# Allegro board 038RT-9068CJK8E-A100_0921_1.brd (continued)
## Copper pours and planes (outline as drawn; the poured copper is in the pictures) (continued)
VDD33_ATX on BOTTOM (solid shape): 136.61,275.03 136.73,274.99 136.78,274.87 136.63,273.35 136.05,274 135.51,274.72
VDD33_ATX on BOTTOM (solid shape): 136.61,258.87 136.73,258.84 136.78,258.72 136.63,257.19 136.05,257.85 135.51,258.57
VDD33_ATX on BOTTOM (solid shape): 136.61,215.03 136.73,214.99 136.78,214.87 136.63,213.35 136.05,214 135.51,214.72
VDD33_ATX on BOTTOM (solid shape): 136.61,198.87 136.73,198.84 136.78,198.72 136.63,197.19 136.05,197.85 135.51,198.57
VDD33_ATX on BOTTOM (solid shape): 228.64,243.07 228.76,243.03 228.81,242.92 228.66,241.39 228.08,242.05 227.54,242.76
VDD33_ATX on BOTTOM (solid shape): 228.64,183.07 228.76,183.03 228.81,182.92 228.66,181.39 228.08,182.05 227.54,182.76
VDD33_ATX on BOTTOM (solid shape): 250.85,243.07 250.98,243.03 251.03,242.92 250.88,241.39 250.3,242.05 249.76,242.76
VDD33_ATX on BOTTOM (solid shape): 250.85,183.07 250.98,183.03 251.03,182.92 250.88,181.39 250.3,182.05 249.76,182.76
VDD33_ATX on BOTTOM (solid shape): 446.44,259.89 446.97,259.17 445.88,258.87 445.76,258.91 445.7,259.02 445.86,260.55
VDD33_ATX on BOTTOM (solid shape): 446.44,199.89 446.97,199.18 445.88,198.87 445.76,198.91 445.7,199.02 445.86,200.55
VDD33_ATX on BOTTOM (solid shape): 468.65,259.89 469.19,259.17 468.09,258.87 467.97,258.91 467.92,259.02 468.07,260.55
VDD33_ATX on BOTTOM (solid shape): 468.65,199.89 469.19,199.18 468.09,198.87 467.97,198.91 467.92,199.02 468.07,200.55
VDD33_ATX on BOTTOM (solid shape): 554.55,274.59 555.09,273.87 553.99,273.57 553.87,273.6 553.82,273.72 553.97,275.25
VDD33_ATX on BOTTOM (solid shape): 554.55,258.44 555.09,257.72 553.99,257.41 553.87,257.45 553.82,257.57 553.97,259.09
VDD33_ATX on BOTTOM (solid shape): 554.55,214.59 555.09,213.87 553.99,213.57 553.87,213.6 553.82,213.72 553.97,215.25
VDD33_ATX on BOTTOM (solid shape): 554.55,198.44 555.09,197.72 553.99,197.41 553.87,197.45 553.82,197.57 553.97,199.09
VDD33_ATX on TOP: 150.06,454.57 150.38,454.89 150.38,456.47 151.3,457.39 151.3,460.8 151.07,461.03 140.22,461.03 138.31,459.13 138.31,452.24 138.99,451.56 142.66,451.56 143.16,452.07 143.16,454.22 143.51,454.57 144.84,454.57 144.84,454.57
VDD33_ATX on TOP: 581.49,39.52 581.17,39.2 581.17,37.61 580.25,36.7 580.25,33.28 580.48,33.05 591.33,33.05 593.23,34.96 593.23,41.84 592.55,42.52 588.89,42.52 588.38,42.02 588.38,39.87 588.04,39.52 586.7,39.52 586.7,39.52
VDD33_ATX on TOP: 39.02,462.12 48.47,462.12 48.68,462.34 49.68,462.34 49.83,462.19 49.83,455.84 49.25,455.26 38.33,455.26 37.96,455.63 37.96,460.37 38.59,461 38.59,461.69
VDD33_ATX on TOP: 124.05,33.95 123.73,33.64 123.73,32.05 122.82,31.13 122.82,27.72 123.05,27.49 133.89,27.49 135.8,29.4 135.8,36.28 135.12,36.96 131.46,36.96 130.95,36.45 130.95,34.3 130.6,33.95 129.27,33.95 129.27,33.95
VDD33_ATX on TOP: 566.27,451.55 566.59,451.86 566.59,453.45 567.51,454.37 567.51,457.78 567.28,458.01 556.43,458.01 554.53,456.1 554.53,449.22 555.2,448.54 558.87,448.54 559.37,449.05 559.37,451.2 559.72,451.55 561.05,451.55 561.06,451.55
(no net) on L03_SIGNAL: 2.64,485.83 2.64,4.58 688.16,4.58 688.16,485.83 ; 101 cut-outs
(no net) on L05_SIGNAL, L09_SIGNAL, L17_SIGNAL, L36_SIGNAL: 1.31,1.02 1.31,487.43 689.28,487.43 689.28,1.02
(no net) on L33_PLANE, L35_PLANE: 1.31,1.02 1.31,487.43 689.28,487.43 689.28,1.02 ; 32 cut-outs
(no net) on L36_SIGNAL: 334.48,139.27 334.48,68.95 334.61,68.95 334.61,9.55 339.32,4.83 634.26,4.83 648.08,18.65 648.08,34.23 633.88,48.43 554.87,48.43 538.25,31.81 375.28,31.81 357.55,49.54 357.55,138.34 352.9,142.99 338.2,142.99
(no net) on L37_PLANE: 1.31,1.02 1.31,487.43 689.28,487.43 689.28,1.02 ; 1 cut-out
(no net) on L38_SIGNAL: 1.31,1.02 1.31,487.43 689.28,487.43 689.28,1.02 ; 16 cut-outs
(no net) on L38_SIGNAL, L42_SIGNAL, L44_SIGNAL: 390.31,206.58 402.4,206.58 402.56,206.74 402.56,213.75 401.71,214.6 397.65,214.6 394.55,217.7 391.36,217.7 389.25,219.81 386.08,219.81 378.45,227.44 364.82,227.44 364.04,226.66 364.04,215.93 365.44,214.52 382.37,214.52
(no net) on L38_SIGNAL, L42_SIGNAL, L44_SIGNAL: 270.31,206.58 282.4,206.58 282.56,206.74 282.56,213.75 281.71,214.6 277.65,214.6 274.55,217.7 271.36,217.7 269.25,219.81 266.08,219.81 258.45,227.44 244.82,227.44 244.04,226.66 244.04,215.93 245.44,214.52 262.37,214.52
(no net) on L38_SIGNAL, L42_SIGNAL, L44_SIGNAL: 390.31,266.58 402.4,266.58 402.56,266.74 402.56,273.75 401.71,274.6 397.65,274.6 394.55,277.7 391.36,277.7 389.25,279.81 386.08,279.81 378.45,287.44 364.82,287.44 364.04,286.66 364.04,275.93 365.44,274.52 382.37,274.52
(no net) on L38_SIGNAL, L42_SIGNAL, L44_SIGNAL: 270.31,266.58 282.4,266.58 282.56,266.74 282.56,273.75 281.71,274.6 277.65,274.6 274.55,277.7 271.36,277.7 269.25,279.81 266.08,279.81 258.45,287.44 244.82,287.44 244.04,286.66 244.04,275.93 245.44,274.52 262.37,274.52
(no net) on L39_PLANE: 1.31,1.02 1.31,487.43 689.28,487.43 689.28,1.02 ; 5 cut-outs
(no net) on L39_PLANE, L41_PLANE, L43_PLANE: 402.56,206.72 402.56,213.75 401.71,214.61 397.65,214.61 394.56,217.7 391.36,217.7 389.23,219.84 387.06,219.84 377.67,229.23 357.66,229.23 351.95,223.52 351.95,218.12 352.58,217.49 357.41,217.49 357.44,217.45 362.43,217.45 365.4,214.48 382.38,214.48 390.31,206.55 402.4,206.55
(no net) on L39_PLANE, L41_PLANE, L43_PLANE, L45_PLANE: 282.56,266.72 282.56,273.75 281.71,274.61 277.65,274.61 274.56,277.7 271.36,277.7 269.23,279.84 267.06,279.84 257.67,289.23 237.66,289.23 231.95,283.52 231.95,278.12 232.58,277.49 237.41,277.49 237.44,277.45 242.43,277.45 245.4,274.48 262.38,274.48 270.31,266.55 282.4,266.55
(no net) on L39_PLANE, L41_PLANE, L43_PLANE, L45_PLANE: 402.56,266.72 402.56,273.75 401.71,274.61 397.65,274.61 394.56,277.7 391.36,277.7 389.23,279.84 387.06,279.84 377.67,289.23 357.66,289.23 351.95,283.52 351.95,278.12 352.58,277.49 357.41,277.49 357.44,277.45 362.43,277.45 365.4,274.48 382.38,274.48 390.31,266.55 402.4,266.55
(no net) on L39_PLANE, L41_PLANE, L43_PLANE, L45_PLANE: 282.56,206.72 282.56,213.75 281.71,214.61 277.65,214.61 274.56,217.7 271.36,217.7 269.23,219.84 267.06,219.84 257.67,229.23 237.66,229.23 231.95,223.52 231.95,218.12 232.58,217.49 237.41,217.49 237.44,217.45 242.43,217.45 245.4,214.48 262.38,214.48 270.31,206.55 282.4,206.55
(no net) on L40_SIGNAL: 282.56,206.72 282.56,213.75 281.71,214.61 277.65,214.61 274.56,217.7 271.36,217.7 269.23,219.84 267.06,219.84 257.67,229.23 240.05,229.23 238.58,227.76 238.58,218.15 239.27,217.45 242.43,217.45 245.4,214.48 262.38,214.48 270.3,206.56 282.4,206.56
(no net) on L40_SIGNAL: 402.56,266.72 402.56,273.75 401.71,274.61 397.65,274.61 394.56,277.7 391.36,277.7 389.23,279.84 387.06,279.84 377.67,289.23 360.05,289.23 358.58,287.76 358.58,278.15 359.27,277.45 362.43,277.45 365.4,274.48 382.38,274.48 390.3,266.56 402.4,266.56
(no net) on L40_SIGNAL: 1.31,1.02 1.31,487.43 689.28,487.43 689.28,1.02 ; 54 cut-outs
(no net) on L40_SIGNAL: 402.56,206.72 402.56,213.75 401.71,214.61 397.65,214.61 394.56,217.7 391.36,217.7 389.23,219.84 387.06,219.84 377.67,229.23 360.05,229.23 358.58,227.76 358.58,218.15 359.27,217.45 362.43,217.45 365.4,214.48 382.38,214.48 390.3,206.56 402.4,206.56
(no net) on L40_SIGNAL: 282.56,266.72 282.56,273.75 281.71,274.61 277.65,274.61 274.56,277.7 271.36,277.7 269.23,279.84 267.06,279.84 257.67,289.23 240.05,289.23 238.58,287.76 238.58,278.15 239.27,277.45 242.43,277.45 245.4,274.48 262.38,274.48 270.3,266.56 282.4,266.56
(no net) on L41_PLANE: 1.31,1.02 1.31,487.43 689.28,487.43 689.28,1.02 ; 5 cut-outs
(no net) on L42_SIGNAL: 398.66,51.04 407.03,51.04 408.48,52.49 408.48,58.37 407.5,59.34 383.53,59.34 383.2,59.01 383.2,19.71 383.86,19.05 421.15,19.05 423.81,21.71 423.81,45.37 422.22,46.97 411.31,46.97 409.69,45.35 409.69,33.87 408.67,32.85 399.26,32.85 397.36,34.75 397.36,40.81 395.68,42.5 395.68,48.06
(no net) on L42_SIGNAL: 278.22,51.04 286.59,51.04 288.04,52.49 288.04,58.37 287.06,59.34 263.09,59.34 262.76,59.01 262.76,19.71 263.42,19.05 300.71,19.05 303.37,21.71 303.37,45.37 301.78,46.97 290.87,46.97 289.26,45.35 289.26,33.87 288.23,32.85 278.82,32.85 276.92,34.75 276.92,40.81 275.24,42.5 275.24,48.06
(no net) on L42_SIGNAL: 216.21,51.04 224.58,51.04 226.03,52.49 226.03,58.37 225.05,59.34 201.08,59.34 200.75,59.01 200.75,19.71 201.41,19.05 238.7,19.05 241.36,21.71 241.36,45.37 239.77,46.97 228.86,46.97 227.25,45.35 227.25,33.87 226.22,32.85 216.82,32.85 214.91,34.75 214.91,40.81 213.23,42.5 213.23,48.06
(no net) on L42_SIGNAL: 460.67,51.04 469.04,51.04 470.49,52.49 470.49,58.37 469.51,59.34 445.54,59.34 445.21,59.01 445.21,19.71 445.87,19.05 483.16,19.05 485.82,21.71 485.82,45.37 484.23,46.97 473.32,46.97 471.7,45.35 471.7,33.87 470.68,32.85 461.27,32.85 459.37,34.75 459.37,40.81 457.69,42.5 457.69,48.06
(no net) on L42_SIGNAL: 405.7,424.88 397.33,424.88 395.88,423.43 395.88,417.55 396.85,416.57 420.83,416.57 421.16,416.91 421.16,456.21 420.49,456.87 383.21,456.87 380.55,454.21 380.55,430.55 382.14,428.95 393.05,428.95 394.66,430.57 394.66,442.05 395.68,443.07 405.09,443.07 406.99,441.17 406.99,435.11 408.68,433.42 408.68,427.86
(no net) on L42_SIGNAL: 231.72,424.88 223.35,424.88 221.9,423.43 221.9,417.55 222.88,416.57 246.85,416.57 247.18,416.91 247.18,456.21 246.52,456.87 209.23,456.87 206.57,454.21 206.57,430.55 208.16,428.95 219.07,428.95 220.69,430.57 220.69,442.05 221.71,443.07 231.12,443.07 233.02,441.17 233.02,435.11 234.7,433.42 234.7,427.86
(no net) on L42_SIGNAL: 289.92,424.88 281.55,424.88 280.1,423.43 280.1,417.55 281.08,416.57 305.05,416.57 305.38,416.91 305.38,456.21 304.72,456.87 267.43,456.87 264.77,454.21 264.77,430.55 266.36,428.95 277.27,428.95 278.88,430.57 278.88,442.05 279.91,443.07 289.32,443.07 291.22,441.17 291.22,435.11 292.9,433.42 292.9,427.86
(no net) on L42_SIGNAL: 467.71,424.88 459.34,424.88 457.89,423.43 457.89,417.55 458.86,416.57 482.84,416.57 483.17,416.91 483.17,456.21 482.5,456.87 445.22,456.87 442.56,454.21 442.56,430.55 444.15,428.95 455.05,428.95 456.67,430.57 456.67,442.05 457.69,443.07 467.1,443.07 469,441.17 469,435.11 470.69,433.42 470.69,427.86
(no net) on L43_PLANE: 1.31,1.02 1.31,487.43 689.28,487.43 689.28,1.02 ; 5 cut-outs
(no net) on L44_SIGNAL: 408.96,202.67 412.7,202.67 414.46,204.42 421.48,204.42 421.96,203.94 421.96,184 420.37,182.42 393.91,182.42 393.21,183.11 393.21,187.9 394.16,188.84 406.56,188.84 408.85,191.14 408.85,202.56
(no net) on L44_SIGNAL: 288.96,202.67 292.81,202.67 294.68,204.53 301.09,204.53 301.96,203.66 301.96,184 300.37,182.42 273.91,182.42 273.21,183.11 273.21,187.9 274.16,188.84 286.56,188.84 288.85,191.14 288.85,202.56
(no net) on L44_SIGNAL: 399.19,257.17 399.19,265.46 399.64,265.91 407.91,265.91 408.19,265.63 408.19,251.97 406.59,250.37 395.88,250.37 395.22,251.02 395.22,255.62 396.47,256.86 398.82,256.86 398.85,256.83
(no net) on L44_SIGNAL: 399.19,197.17 399.19,205.46 399.64,205.91 407.91,205.91 408.19,205.63 408.19,191.97 406.59,190.37 395.88,190.37 395.22,191.02 395.22,195.62 396.47,196.86 398.82,196.86 398.85,196.83
(no net) on L44_SIGNAL: 279.19,257.17 279.19,265.46 279.64,265.91 287.91,265.91 288.19,265.63 288.19,251.97 286.59,250.37 275.88,250.37 275.22,251.02 275.22,255.62 276.47,256.86 278.82,256.86 278.85,256.83
(no net) on L44_SIGNAL: 408.96,262.66 412.71,262.66 414.82,264.78 420.97,264.78 421.96,263.79 421.96,244 420.37,242.42 393.91,242.42 393.21,243.11 393.21,247.9 394.16,248.84 406.56,248.84 408.85,251.14 408.85,262.56
(no net) on L44_SIGNAL: 288.96,262.66 292.65,262.66 294.25,264.26 301.37,264.26 301.96,263.68 301.96,244 300.37,242.42 273.91,242.42 273.21,243.11 273.21,247.9 274.16,248.84 286.56,248.84 288.85,251.14 288.85,262.56
(no net) on L44_SIGNAL: 279.19,197.17 279.19,205.46 279.64,205.91 287.91,205.91 288.16,205.66 288.16,191.94 286.59,190.37 275.88,190.37 275.22,191.02 275.22,195.62 276.47,196.86 278.82,196.86 278.85,196.83
(no net) on L45_PLANE: 402.56,206.72 402.56,213.75 401.71,214.61 397.65,214.61 394.56,217.7 391.36,217.7 389.23,219.84 387.06,219.84 377.67,229.23 357.66,229.23 351.95,223.52 351.95,218.12 352.58,217.49 357.41,217.49 357.44,217.45 362.43,217.45 365.4,214.48 382.38,214.48 390.3,206.56 402.41,206.56
(no net) on L45_PLANE: 1.31,1.02 1.31,487.43 689.28,487.43 689.28,1.02 ; 5 cut-outs
(no net) on L46_SIGNAL: 392.81,206.57 401.66,206.57 401.81,206.72 401.81,212.89 401.62,213.08 393.09,213.08 392.13,212.12 392.13,207.25
(no net) on L46_SIGNAL: 392.81,266.57 401.66,266.57 401.81,266.72 401.81,272.89 401.62,273.08 393.09,273.08 392.13,272.12 392.13,267.25
(no net) on L46_SIGNAL: 285.55,193.61 285.55,194.85 282.45,197.95 282.45,204.92 282.61,205.08 283.05,205.08 283.23,205.26 283.23,209.03 284.19,209.99 290.22,209.99 290.54,209.67 290.54,207.64 290.68,207.5 294.43,207.5 294.95,206.98 294.95,198.1 293.46,196.62 293.46,195.69 291.27,193.49 285.66,193.49
(no net) on L46_SIGNAL: 405.55,253.72 405.55,254.85 402.45,257.95 402.45,264.92 402.61,265.08 403.05,265.08 403.23,265.26 403.23,269.03 404.19,269.99 410.22,269.99 410.54,269.67 410.54,267.63 410.68,267.5 414.43,267.5 414.94,266.98 414.94,258.1 413.46,256.62 413.46,255.69 411.35,253.58 405.69,253.58
(no net) on L46_SIGNAL: 272.81,206.57 281.66,206.57 281.81,206.72 281.81,212.89 281.62,213.08 273.09,213.08 272.13,212.12 272.13,207.25
(no net) on L46_SIGNAL: 272.81,266.57 281.66,266.57 281.81,266.72 281.81,272.89 281.62,273.08 273.09,273.08 272.13,272.12 272.13,267.25
(no net) on L46_SIGNAL: 285.55,253.61 285.55,254.85 282.45,257.95 282.45,264.92 282.61,265.08 283.05,265.08 283.23,265.26 283.23,269.03 284.19,269.99 290.22,269.99 290.54,269.67 290.54,267.63 290.68,267.5 294.43,267.5 294.95,266.98 294.95,258.1 293.46,256.62 293.46,255.69 291.27,253.49 285.66,253.49
(no net) on L46_SIGNAL: 405.55,193.61 405.55,194.85 402.45,197.95 402.45,204.92 402.61,205.08 403.05,205.08 403.23,205.26 403.23,209.03 404.19,209.99 410.22,209.99 410.54,209.67 410.54,207.64 410.68,207.5 414.43,207.5 414.94,206.98 414.94,198.1 413.46,196.62 413.46,195.69 411.27,193.49 405.66,193.49
(no net) on L47_PLANE: 349.09,286.06 349.09,281.61 349.73,280.98 356.39,280.98 356.71,281.3 356.71,286.06 356.39,286.38 349.41,286.38
(no net) on L47_PLANE: 229.16,219.96 230.74,219.96 231.31,219.39 231.31,218.12 232.08,217.36 240.33,217.36 241.47,216.22 248.14,216.22 248.46,216.53 248.46,227.33 244.01,231.78 229.09,231.78 228.46,231.14 228.46,220.66
(no net) on L47_PLANE: 349.09,226.06 349.09,221.62 349.73,220.98 356.39,220.98 356.71,221.3 356.71,226.06 356.39,226.38 349.41,226.38
(no net) on L47_PLANE: 1.31,1.02 1.31,487.43 689.28,487.43 689.28,1.02 ; 3 cut-outs
(no net) on L47_PLANE: 229.16,279.96 230.74,279.96 231.31,279.39 231.31,278.12 232.08,277.36 240.33,277.36 241.47,276.22 248.14,276.22 248.46,276.53 248.46,287.33 244.01,291.77 229.09,291.77 228.46,291.14 228.46,280.66
(no net) on L47_PLANE: 349.16,279.96 350.74,279.96 351.31,279.39 351.31,278.12 352.08,277.36 360.33,277.36 361.47,276.22 368.14,276.22 368.46,276.53 368.46,287.33 364.01,291.77 349.09,291.77 348.46,291.14 348.46,280.66
(no net) on L47_PLANE: 229.09,286.06 229.09,281.61 229.73,280.98 236.39,280.98 236.71,281.3 236.71,286.06 236.39,286.38 229.41,286.38
(no net) on L47_PLANE: 349.16,219.96 350.74,219.96 351.31,219.39 351.31,218.12 352.08,217.36 360.33,217.36 361.47,216.22 368.14,216.22 368.46,216.53 368.46,227.33 364.01,231.78 349.09,231.78 348.46,231.14 348.46,220.66
(no net) on L47_PLANE: 229.09,226.06 229.09,221.62 229.73,220.98 236.39,220.98 236.71,221.3 236.71,226.06 236.39,226.38 229.41,226.38
ATX_P3_3V on TOP: 6.47,469.92 10.7,469.92 11.48,470.69 11.48,473.47 12.04,474.03 16.09,474.03 18.97,471.15 26.41,471.15 27.81,472.55 27.81,478.01 26.67,479.16 6.33,479.16 5.81,478.64 5.81,470.57
ATX_P3_3V on L05_SIGNAL: 3.98,476.57 3.98,428.62 9.06,423.54 27.16,423.54 30.5,426.88 30.5,475.77 25.89,480.38 7.79,480.38
ATX_P5V on L03_SIGNAL: 4.33,479.43 4.33,428.62 6.87,426.09 15.12,426.09 16.27,427.23 16.27,447.14 18.35,449.22 44.61,449.22 45.6,450.22 45.6,481.97 44.33,483.24 8.14,483.24
ATX_P12V on L07_SIGNAL: 15.1,435.61 42.31,435.61 45.35,438.66 45.35,455.45 43.65,457.15 6,457.15 4.89,456.03 4.89,437.29 5.98,436.19 14.53,436.19
ATX_P12V on L13_SIGNAL: 3.98,476.57 3.98,428.62 9.06,423.54 27.16,423.54 29.38,425.77 29.38,464.94 26.8,467.52 26.8,479.47 25.89,480.38 7.79,480.38
LB_GND on TOP: 614.66,27.03 614.66,24.13 615.43,23.37 618.6,23.37 618.9,23.07 646.92,23.07 646.92,26.68 645.64,27.96 615.6,27.96
MGND on BOTTOM: 241.16,281.74 241.09,281.81 241.09,285.49 241.16,285.55 243.19,285.55 243.38,285.36 243.38,281.81 243.32,281.74
MGND on BOTTOM: 241.16,221.74 241.09,221.81 241.09,225.49 241.16,225.55 243.19,225.55 243.38,225.36 243.38,221.81 243.32,221.74
MGND on BOTTOM: 361.16,221.74 361.09,221.81 361.09,225.49 361.16,225.55 363.19,225.55 363.38,225.36 363.38,221.81 363.32,221.74
MGND on BOTTOM: 361.16,281.74 361.09,281.81 361.09,285.49 361.16,285.55 363.19,285.55 363.38,285.36 363.38,281.81 363.32,281.74
MGND on BOTTOM: 231.31,219.39 231.31,218.12 231.95,217.49 236.08,217.49 236.71,218.12 236.71,219.39 236.08,220.03 231.95,220.03
MGND on BOTTOM: 231.31,279.39 231.31,278.12 231.95,277.49 236.08,277.49 236.71,278.12 236.71,279.39 236.08,280.03 231.95,280.03
MGND on BOTTOM: 351.31,219.39 351.31,218.12 351.95,217.49 356.08,217.49 356.71,218.12 356.71,219.39 356.08,220.03 351.95,220.03
MGND on BOTTOM: 351.31,279.39 351.31,278.12 351.95,277.49 356.08,277.49 356.71,278.12 356.71,279.39 356.08,280.03 351.95,280.03
MGND on L26_RLY: outline of 122 points within 70.34,13.02 620.25,348.62
Net_9 on BOTTOM: 23.35,467.36 18.91,467.36 17,465.46 11.92,465.46 11.29,464.82 11.29,462.28 11.92,461.64 22.72,461.64 23.99,462.91 23.99,466.73
Net_21 on L27_POWER: 400.98,207.65 400.65,207.31 377.03,207.31 371.97,202.25 371.97,170.61 396.07,146.51 396.07,57.96 393.48,55.38 359.53,55.38 357.4,57.51 357.4,136.4 343.7,150.1 343.7,228.66 348.93,233.89 398.3,233.89 400.98,231.21
Net_22 on BOTTOM: 229.09,286.06 229.09,283.84 229.41,283.52 230.68,283.52 231.31,282.88 231.31,281.42 231.76,280.98 236.39,280.98 236.71,281.3 236.71,286.06 236.39,286.38 229.41,286.38
Net_23 on L27_POWER: 280.98,288.63 280.98,267.64 280.65,267.31 266.56,267.31 258.57,275.31 229.97,275.31 228.93,276.35 228.93,300.71 240.8,312.58 253.68,312.58 262.34,321.24 262.34,392.98 290.77,421.41 328.22,421.41 329.49,420.14 329.49,400.57 307.35,378.44 307.35,315
Net_24 on L27_POWER: 177.34,56.66 177.34,217.16 183.77,223.59 279.86,223.59 280.98,222.46 280.98,207.65 280.65,207.31 231.9,207.31 221.14,196.56 221.14,56.73 219.95,55.54 178.46,55.54
Net_25 on L27_POWER: 365.64,267.31 351.96,280.99 351.96,288.61 367.65,304.29 467.31,304.29 474.6,311.57 474.6,394.89 489.63,409.92 489.63,422.6 490.75,423.72 505.08,423.72 506.71,422.09 506.71,400.96 490.53,384.78 490.53,291.26 484.53,285.26 412.89,285.26 400.98,273.36 400.98,267.64 400.65,267.31
P3_3V on TOP: 46.08,462.8 46.25,462.97 46.25,468.46 45.35,469.36 39.49,469.36 37.62,467.49 27.55,467.49 26.13,468.91 19.54,468.91 18.82,468.19 18.82,463.78 19.81,462.8
PCIE_GND on TOP: 423.69,162.47 444,182.78 444,195.17 446.72,197.89 456.14,197.89 465.39,188.65 465.39,49.83 464.21,48.65 464.21,45.02 460.01,45.02 458.69,46.34 458.69,49.78 456.33,52.13 456.33,54.49 453.47,57.35 453.47,58.6 445.91,66.17 419.63,66.17 402.06,48.6 402.06,45.23 400.78,43.95 397.39,43.95 396.78,44.56 396.78,51.62 391.44,56.96 391.44,64.24 419.96,92.76 422.74,92.76 423.69,93.71
PCIE_GND on TOP: 234.55,81 234.55,195.01 238.6,199.06 246.82,199.06 248.14,197.74 251.52,197.74 251.76,197.49 251.76,193.68 253.06,192.38 253.06,176.88 269.56,160.38 269.56,75.62 284.57,60.6 284.57,49.41 284.21,49.05 284.21,48.25 283.15,47.19 278.52,47.19 278.23,46.9 278.23,45.17 277.95,44.89 277.75,44.89 275.98,46.66 275.98,50.45 274.06,52.38 274.06,54.44 270.04,58.46 270.04,61.47 265.34,66.17 238.15,66.17 222.26,50.27 222.26,48.59 221.51,47.84 220.43,47.84 217.42,44.83 215.16,44.83 212.48,47.52 212.48,58.93
PCIE_GND on TOP: 408.98,386.08 399,396.06 399,426.59 401.15,428.75 405.24,428.75 406,429.51 406,431.93 406.26,432.18 406.38,432.18 407.02,431.55 407.02,430.53 408.16,429.39 408.16,426.55 421.28,413.44 449.89,413.44 462.06,425.61 462.06,426.6 462.16,426.7 462.16,429.28 465.04,432.16 467.63,432.16 470.05,429.74 470.05,423.77 471.93,421.89 471.93,396.93 459.27,384.27 459.27,244.62 456.16,241.51 447.38,241.51 444.1,244.78 444.1,278.63 435.29,287.44 408.98,313.75
PCIE_GND on TOP: 271.96,383 271.96,311.25 266.92,306.21 244.61,306.21 228.66,290.26 228.66,280.4 224.86,276.6 224.86,264.72 228.06,261.52 248.78,261.52 252.82,257.49 252.82,252.09 252.83,252.08 252.83,244.23 252.01,243.41 237.78,243.41 236.46,244.73 236.46,249.66 234.32,251.79 221.89,251.79 213.16,260.52 213.16,311.36 235,333.2 235,387.32 224.12,398.21 224.12,426.71 226.49,429.08 231.96,429.08 232.14,429.26 232.14,432.05 232.27,432.18 232.65,432.18 233.03,431.8 233.03,430.66 234.04,429.64 234.04,427.7 237.35,424.4 237.35,419.86 242.76,414.45 274.4,414.45 283.62,423.67 283.62,425.24 284.34,425.96 284.34,428.53 284.86,429.06 288.57,429.06 288.65,429.14 290.06,429.14 290.31,429.39 290.31,432.05 290.43,432.18 290.69,432.18 291.19,431.67 291.19,430.53 292.59,429.13 292.59,423.16 297.44,418.31 297.44,408.48
PCIE_GND on L02_PLANE: 234.55,84.33 234.55,164.67 225.08,174.14 225.08,192.17 224.81,192.44 220.66,192.44 219.68,193.42 219.68,197.48 221.88,199.68 245.67,199.68 247.61,197.74 251.56,197.74 251.76,197.54 251.76,193.68 253.06,192.38 253.06,176.88 269.56,160.38 269.56,79.69 281.49,67.76 281.49,53.01 280.02,51.54 274.53,51.54 270.04,56.03 270.04,61.47 265.34,66.17 232.26,66.17 223.13,57.04 223.13,54.49 221.9,53.26 221.9,51.82 221.65,51.56 216.01,51.56 214.49,53.09 214.49,57.63 216.26,59.41 216.26,66.04
PCIE_GND on L02_PLANE: 423.69,162.47 444,182.78 444,182.78 444.29,183.07 444.29,186.36 444,186.64 444,195.17 446.72,197.89 456.14,197.89 464.22,189.82 466.11,189.82 466.39,189.54 468.8,189.54 469.08,189.82 476.91,189.82 477.51,189.22 477.51,182.61 465.39,170.49 465.39,58.67 463.94,57.23 463.94,53.01 462.47,51.54 456.98,51.54 452.48,56.03 452.48,59.59 445.91,66.17 414.71,66.17 405.57,57.03 405.57,54.44 404.35,53.22 404.35,51.82 404.1,51.56 398.46,51.56 396.94,53.09 396.94,57.26 391.45,62.75 391.45,64.25 419.97,92.77 422.75,92.77 423.69,93.71
PCIE_GND on L02_PLANE: 271.96,383 271.96,311.25 261.11,300.4 244.84,300.4 235.23,290.79 229.19,290.79 228.66,290.26 228.66,280.4 224.86,276.6 224.86,264.72 228.06,261.52 248.78,261.52 252.44,257.87 252.44,255.63 252.82,255.25 252.82,252.09 252.83,252.08 252.83,244.23 252.01,243.41 237.78,243.41 236.46,244.73 236.46,249.66 234.32,251.79 219.81,251.79 211.48,260.12 211.48,297.89 213.16,299.57 213.16,311.36 227.44,325.64 227.44,394.66 223.17,398.92 223.17,428.61 226.94,432.38 233.41,432.38 237.35,428.43 237.35,418.28 241.17,414.45 274.25,414.45 279.9,420.11 279.9,421.78 283.32,425.2 283.32,427.52 288.23,432.43 292.23,432.43 292.96,431.7 292.96,404
PCIE_GND on L02_PLANE: 408.98,386.08 399,396.06 399,426.59 400.47,428.07 405.95,428.07 410.95,423.07 410.95,417.64 415.15,413.44 448.37,413.44 457.35,422.41 457.35,425.14 458.58,426.38 458.58,427.79 458.84,428.04 464.48,428.04 466,426.52 466,422.08 467.01,421.07 467.01,412.65 465.39,411.04 465.39,392.91 463.23,390.75 463.23,267.5 459.8,264.07 459.8,256.06 459.52,255.78 459.52,253.19 459.8,252.91 459.8,250.53 462.02,248.31 472.57,248.31 474.06,249.79 476.76,249.79 477.56,248.98 477.56,243.12 475.48,241.04 456.54,241.04 455.74,241.84 447.04,241.84 444.43,244.46 444.43,246.62 444.18,246.86 444.18,278.55 435.29,287.44 408.98,313.75
PCIE_GND on L03_SIGNAL: 234.65,164.58 234.65,84.43 217.29,67.07 217.29,47.62 219.17,45.74 221.9,45.74 223.81,47.65 223.81,57.72 232.87,66.78 269.87,66.78 271.13,65.52 271.13,59.71 276.8,54.04 276.8,48.42 279.51,45.71 284.82,45.71 286.6,47.49 286.6,62.15 269.58,79.18 269.58,160.57 255.15,175 241.1,175 237.95,178.14 237.95,198.35 236.62,199.69 221.89,199.69 219.68,197.49 219.68,193.43 220.68,192.44 224.81,192.44 225.08,192.17 225.08,174.15
PCIE_GND on L03_SIGNAL: 289.23,414.77 289.23,425.64 286.63,428.23 284.59,428.23 283.38,427.01 283.38,422.56 273.64,412.83 238.05,412.83 235.38,415.49 235.38,418.77 231.29,422.86 231.29,426.08 226.63,430.74 222.1,430.74 221,429.63 221,408.26 225.52,403.74 225.52,312.62 212.81,299.92 212.81,258.01 218.88,251.95 226.04,251.95 227.72,253.62 227.72,258.66 223.15,263.23 223.15,278.53 270.15,325.52 270.15,395.69
PCIE_GND on L03_SIGNAL: 424.64,91.97 399.73,67.07 399.73,48.51 400.89,47.35 404.62,47.35 405.58,48.31 405.58,57.04 415.32,66.78 452.32,66.78 453.58,65.52 453.58,59.71 459.81,53.48 459.81,48.35 462.19,45.96 467.47,45.96 469.28,47.77 469.28,70.29 461.96,77.61 461.96,167.25 477.44,182.73 477.44,189.2 476.23,190.41 463.68,190.41 463.58,190.32 454.22,190.32 424.64,160.74
PCIE_GND on L03_SIGNAL: 463.2,390.83 467.07,394.71 467.07,427.18 465.76,428.49 458.14,428.49 456.86,427.22 456.86,422.07 447.62,412.83 412.02,412.83 409.36,415.49 409.36,426.16 404.73,430.78 402.57,430.78 399.4,427.61 399.4,414.05 424.76,388.69 424.76,308.06 453.47,279.36 453.47,246.04 457.45,242.06 475.22,242.06 477.38,244.22 477.38,248.61 475.93,250.06 473.19,250.06 471.42,248.29 462.13,248.29 459.3,251.12 459.3,263.63 463.2,267.53
PCIE_GND on L04_PLANE: 457.35,422.56 447.62,412.83 412.78,412.83 409.36,416.25 409.36,426.81 406.49,429.68 401.47,429.68 399.4,427.61 399.4,414.05 424.76,388.69 424.76,308.06 453.47,279.36 453.47,245.62 458.01,241.08 475.48,241.08 477.55,243.14 477.55,248.95 476.74,249.76 473.98,249.76 472.53,248.31 462.01,248.31 459.28,251.04 459.28,263.6 463.2,267.53 463.2,399.17 466.99,402.97 466.99,427.3 465.81,428.49 458.54,428.49 457.35,427.3
PCIE_GND on L04_PLANE: 234.65,164.58 234.65,84.43 217.29,67.07 217.29,55.18 218.82,53.65 222.31,53.65 223.14,54.48 223.14,57.04 232.87,66.78 269.87,66.78 271.13,65.52 271.13,59.71 277.27,53.57 280.16,53.57 281.09,54.5 281.09,67.67 269.58,79.18 269.58,160.57 255.15,175 241.1,175 237.95,178.14 237.95,198.35 236.62,199.69 221.89,199.69 219.68,197.49 219.68,193.43 220.68,192.44 224.81,192.44 225.08,192.17 225.08,174.15
PCIE_GND on L04_PLANE: 424.64,91.97 399.73,67.07 399.73,55.18 401.26,53.65 404.76,53.65 405.58,54.48 405.58,57.04 415.32,66.78 452.32,66.78 453.58,65.52 453.58,59.71 459.72,53.57 462.61,53.57 463.54,54.5 463.54,67.67 461.96,69.24 461.96,167.25 477.44,182.73 477.44,189.2 476.85,189.79 468.97,189.79 468.59,189.41 466.1,189.41 465.72,189.79 453.69,189.79 424.64,160.74
PCIE_GND on L04_PLANE: 269.92,395.36 289.23,414.66 289.23,425.65 286.65,428.22 284.58,428.22 283.38,427.03 283.38,423.58 272.65,412.85 237.63,412.85 231.35,419.14 231.35,426.09 226.77,430.67 222.19,430.67 221.01,429.49 221.01,408.27 225.56,403.72 225.56,311.93 211.52,297.89 211.52,291.42 211.52,291.42 211.52,259.96 219.24,252.24 225.58,252.24 227.42,254.08 227.42,258.96 223.33,263.05 223.33,278.89 269.92,325.48
PCIE_GND on L26_RLY: outline of 976 points within 198.88,42.87 504.05,438.85
S0_1_CKXTAL1 on BOTTOM (solid shape): 320.42,212.34 320.91,211.73 319.81,211.67 319.77,211.69 319.75,211.73 319.91,212.93
S0_1_VSENSE on BOTTOM: 229.22,231.14 229.22,227.33 229.6,226.95 236.97,226.95 237.85,226.06 243.06,226.06 244.71,224.41 246.87,224.41 247.63,225.17 247.63,226.89 243.13,231.39 229.47,231.39
S0_AVDD09 on BOTTOM: 279.22,191.8 280.51,191.8 280.56,191.74 280.56,186.69 280.51,186.64 279.32,186.64 279.14,186.82 279.14,191.72
S0_AVDD09 on L23_POWER: 279.99,213.78 279.99,207.54 280.22,207.31 282.26,207.31 282.45,207.13 282.45,200.55 282.2,200.3 279.56,200.3 279.25,200 279.25,188.39 279.99,187.64 291.14,187.64 292.24,188.74 292.24,213.92 291.84,214.31 280.53,214.31
S0_AVDD33 on BOTTOM: 269.71,202.38 274.91,202.38 274.99,202.31 274.99,201.19 274.96,201.17 269.68,201.17 269.6,201.24 269.6,202.28
S0_AVDD33 on L13_SIGNAL: 273.61,202.71 280.61,202.71 280.79,202.9 280.79,209.62 280.68,209.73 280.1,209.73 280,209.83 280,212.73 280.33,213.07 294.86,213.07 295.99,211.94 295.99,196.1 295.1,195.22 273.56,195.22 273.12,195.65 273.12,202.22
S0_AVDD33_MOSFET on BOTTOM: 272.6,210.46 272.6,210.46 272.6,210.94 272.75,211.09 274.98,211.09 275.3,210.77 275.3,206.87 275.28,206.85 274.73,206.85 269.78,206.84 269.6,207.02 269.6,209.11 269.68,209.18 272.36,209.18 272.6,209.42
S0_AVDD33_MOSFET on BOTTOM: 238.62,221.74 238.55,221.81 238.55,225.49 238.62,225.55 239.89,225.55 239.95,225.49 239.95,221.81 239.89,221.74
S0_DPS_AVDD09 on L23_POWER: 183.26,80.33 258.17,80.33 272.69,94.85 272.69,167.46 293.23,188 293.23,271.25 355.84,333.86 367.18,333.86 367.94,333.11 367.94,325.68 362.74,320.48 348.74,320.48 321.75,293.49 321.75,251.61 307.19,237.05 307.19,166.05 293.54,152.4 293.54,84.34 270.79,61.58 229.09,61.58 218.56,51.05 218.56,22.18 215.11,18.73 181.16,18.73 174.23,25.66 174.23,71.3
S0_DPS_AVDD33 on BOTTOM: 265.41,206.19 271.03,206.19 271.08,206.14 271.08,203.12 271.02,203.07 265.37,203.07 265.31,203.13 265.31,206.09
S0_DPS_AVDD33 on L27_POWER: 262.94,204.5 264.5,206.06 268.38,206.06 269.41,205.03 269.41,195.48 264.65,190.72 264.65,185.74 275.45,174.94 304.03,174.94 317.61,161.37 317.61,82.07 340.59,59.09 340.59,21.06 339,19.48 324.11,19.48 323.33,20.27 323.33,24.89 323.87,25.44 325.99,25.44 326.98,26.43 326.98,31.07 327.01,31.1 327.01,38.55 325.13,40.43 299.22,40.43 294.62,45.04 294.62,57.65 282.97,69.3 282.97,117.81 271.61,129.18 244.17,129.18 226,147.34 226,198.53 231.97,204.5
S0_DPS_AVDD33 on L29_POWER: 330.03,158.83 321.3,167.56 321.3,234.98 330.03,243.71 330.03,313.71 344.65,328.33 344.65,340.41 346.05,341.81 363.65,341.81 364.49,340.97 364.49,324.43 344.45,304.4 344.45,180.58 361.13,163.9 361.13,28.65 358.66,26.19 333.52,26.19 327.88,20.55 322.81,20.55 321.74,21.62 321.74,35.33 327.19,40.78 327.19,52.2 330.03,55.04
S0_DPS_DVDD09 on L30_POWER: 132.25,10.48 120.67,22.06 120.67,459.52 137.03,475.88 356.48,475.88 361,471.36 361,455.57 359.67,454.23 359.67,451.58 359.02,450.93 356.37,450.93 355.62,450.19 355.62,432.08 358.33,429.37 358.33,403.59 364.41,397.51 364.41,364.69 363.59,363.87 349.87,363.87 345.07,368.67 345.07,417.54 344.43,418.19 344.43,450.53 345.18,451.28 347.29,451.28 348.57,452.56 348.57,459.06 342.1,465.54 170.29,465.54 149.72,444.96 149.72,387.35 164.64,372.43 164.64,65.45 173.96,56.13 173.96,50.2 175.55,48.62 187.2,48.62 188.48,47.33 188.48,15.38 183.58,10.48
S0_DPS_DVDD33 on BOTTOM: 294.78,186.21 294.78,180.97 294.65,180.85 291.6,180.85 291.45,181 291.45,182.68 291.6,182.83 292.6,182.83 292.8,183.03 292.8,186.33 292.88,186.41 294.57,186.41
S0_DPS_DVDD33 on L29_POWER: 343.35,24.14 342.19,25.3 333.59,25.3 328.42,20.13 322.23,20.13 321.12,21.24 321.12,35.36 326.8,41.03 326.8,52.86 329.35,55.42 329.35,86.75 320.94,95.17 320.94,162.48 300.83,182.59 291.6,182.59 291.45,182.44 291.45,164.65 310.61,145.5 310.61,71.69 316.28,66.02 316.28,50.57 313.13,47.41 303.08,47.41 295.17,39.5 295.17,15.6 305.27,5.5 341.68,5.5 343.35,7.18
S0_DPS_GPIO_P015VDDIO on L23_POWER: 296.59,150.16 308.21,161.79 308.21,235.24 323.84,250.88 323.84,294.04 349.44,319.63 363.87,319.63 370.03,325.8 370.03,340.5 369.37,341.16 363.21,341.16 362.12,342.24 362.12,351.05 362.86,351.78 374.8,351.78 375.81,350.77 375.81,324.07 365.17,313.43 355.69,313.43 336.82,294.56 336.82,240.64 327.17,230.98 327.17,156.18 317.99,147.01 317.99,20.36 316.18,18.54 299.42,18.54 296.59,21.37
S0_DPS_LDOIN on BOTTOM: 290.74,181 290.69,180.95 289.49,180.95 289.32,181.13 289.32,188.19 289.42,188.29 290.59,188.29 290.74,188.14
S0_DPS_LDOIN on L27_POWER: 319.18,151.2 319.18,168.56 319.1,168.64 319.18,168.72 319.18,321.38 328.91,331.11 344.63,331.11 346.18,332.66 346.18,345.77 348.27,347.86 348.27,347.9 362.9,347.9 363.98,346.82 363.98,330.57 357.99,324.58 336.88,324.58 326.12,313.83 326.12,244.27 341.34,229.05 341.34,93.41 354.69,80.07 354.69,13.44 352.67,11.42 323.42,11.42 319.93,14.91 306.47,14.91 304.66,16.73 304.66,36.83 306.21,38.38 325.5,38.38 326.52,37.36 326.52,26.82 325.64,25.93 323.29,25.93 322.75,25.4 322.75,20.15 324.17,18.73 339.27,18.73 342.74,22.2 342.74,29.49 342.51,29.73 342.51,62.77 323.97,81.31 323.97,146.41
S0_DPS_LDOIN on L30_POWER: 287.27,145.03 287.27,182.02 288.12,182.87 294.36,182.87 295.51,181.72 295.51,152.97 300.75,147.73 300.75,81.97 293.94,75.16 293.94,51.74 296.39,49.29 325.9,49.29 327.19,48 327.19,17.1 324.25,14.16 273.84,14.16 269.9,18.09 269.9,71.85 284.78,86.73 284.78,142.53
S0_DVDD09 on BOTTOM: 285.89,183.07 285.89,188.4 285.91,188.43 285.91,193.45 285.71,193.65 285.71,195.02 285.76,195.07 287.89,195.07 288.45,194.51 288.45,184.19 287.28,183.02 285.94,183.02
S0_DVDD09 on L09_SIGNAL: 275.32,194.26 275.32,210.1 275.9,210.68 295.14,210.68 296.9,208.92 296.9,192.9 296.13,192.12 277.46,192.12
S0_DVDD09 on L11_SIGNAL: 282.42,193.49 282.42,204.78 282.25,204.95 279.41,204.95 279.28,205.08 279.28,208.29 280.02,209.03 280.02,213.58 280.53,214.09 291.86,214.09 292.18,213.76 292.18,209.2 291.9,208.92 290.74,208.92 290.58,208.77 290.58,201.23 290.29,200.94 289.93,200.94 289.73,200.73 289.73,193.09 288.5,191.86 284.05,191.86
S0_DVDD33 on BOTTOM: 296.93,184.65 295.53,184.65 295.48,184.7 295.48,189.74 295.31,189.91 295.31,190.7 295.36,190.75 296.99,190.75 297.02,190.72 297.02,184.74
S0_DVDD33 on L27_POWER: 287.51,205.1 292.85,205.1 300.93,197.03 300.93,192.45 298.93,190.45 298.93,188.6 298.58,188.25 293.85,188.25 293.2,188.91 293.2,192.83 287.21,198.81 287.21,204.8
S0_F_AVDD09 on BOTTOM: 281.31,183.01 281.31,188.34 281.42,188.44 282.86,188.44 282.94,188.37 282.94,183.16 282.74,182.96 281.37,182.96
S0_F_AVDD09 on L30_POWER: 273.68,188.68 281.49,188.68 282.48,187.7 282.48,183.13 282.18,182.84 280.73,182.84 280.15,182.25 280.15,158.05 263.38,141.29 227.19,141.29 225.92,140.02 225.92,83.05 220.86,77.99 185.79,77.99 182.29,74.5 182.29,56.07 180.09,53.87 180.09,50.25 179.18,49.34 175.52,49.34 174.48,50.38 174.48,56.45 166.49,64.44 166.49,86.87 169.53,89.91 205.2,89.91 208.93,93.65 208.93,150.65 216.07,157.8 253.54,157.8 272.69,176.94 272.69,187.68
S0_F_DVDD09 on BOTTOM: 285.02,189.71 285.1,189.64 285.1,181.1 284.9,180.9 281.39,180.9 281.29,181 281.29,182.63 281.37,182.7 283.07,182.7 283.27,182.91 283.27,189.53 283.45,189.71
S0_F_DVDD09 on L30_POWER: 285.61,180.44 285.61,150.81 274.81,140.02 274.81,87 250.95,63.13 200.91,63.13 199.42,61.63 199.42,52.28 196.4,49.26 181.35,49.26 180.55,50.06 180.55,53.51 183.33,56.29 183.33,73.29 186.64,76.6 246,76.6 261.48,92.07 261.48,137.16 280.65,156.34 280.65,181.62 281.45,182.42 283.63,182.42
S0_F_GPIO_VDDIO on BOTTOM: 273.9,186.11 275.19,186.11 275.24,186.06 275.24,181 275.19,180.95 274,180.95 273.82,181.13 273.82,186.03
S0_F_GPIO_VDDIO on L29_POWER: 300.82,50.37 300.82,58.45 283.7,75.57 283.7,140.65 268.78,155.57 268.78,183.51 269.75,184.48 283.35,184.48 284.34,183.5 284.34,169.55 306.56,147.32 306.56,74.29 315.64,65.21 315.64,51.15 312.67,48.19 303,48.19
S0_F_P0_1_5_VDDIO on BOTTOM: 301.76,205.05 301.76,206.22 301.81,206.27 307,206.27 307.05,206.22 307.05,205.02 306.87,204.85 301.97,204.85
S0_F_P0_1_5_VDDIO on BOTTOM: 301.79,204.29 301.79,203.1 301.84,203.04 307,203.04 307.05,203.09 307.05,204.29 306.87,204.46 301.97,204.46
S0_F_P0_1_5_VDDIO on BOTTOM: 265.41,214.05 271.03,214.05 271.08,214 271.08,212.91 271,212.83 265.39,212.83 265.31,212.91 265.31,213.95
S0_F_P0_1_5_VDDIO on L30_POWER: 275.11,192.11 264.33,202.88 264.33,213.5 264.63,213.8 266.44,213.8 275.45,204.8 275.45,201.87 277.82,199.5 293.54,199.5 294.24,200.2 294.24,204.95 295.78,206.49 311.63,206.49 313.93,204.19 313.93,164.3 322.31,155.91 322.31,78.57 311.47,67.73 311.47,50.54 310.59,49.66 301.45,49.66 299.55,51.56 299.55,73.87 310.51,84.83 310.51,143.63 298.03,156.11 298.03,182.97 296.08,184.91 289.25,184.91 282.05,192.11
S0_GPIO_VDDIO on BOTTOM: 275.98,184.66 275.98,192 276.08,192.1 277.53,192.1 277.61,192.02 277.61,184.89 277.33,184.61 276.03,184.61
S0_H_SW_CTRL on BOTTOM (solid shape): 22.04,66.85 22.08,66.86 22.12,66.85 22.8,66.17 22.08,65.39 21.37,66.17
S0_INH on L17_SIGNAL: 277.08,205.72 279.82,205.72 280.05,205.95 280.87,205.95 281,206.09 281,208.1 280.82,208.28 277.02,208.28 276.75,208.02 276.75,206.05
S0_LDOIN on BOTTOM: 292.9,186.72 291.5,186.72 291.45,186.77 291.45,191.91 291.61,192.07 292.81,192.07 292.98,191.89 292.98,186.8
S0_LDOIN on L27_POWER: 286.62,197.82 286.62,204.85 287.51,205.74 288.02,205.74 288.15,205.87 288.15,208.15 287.97,208.33 281.87,208.33 281.59,208.05 281.59,206.93 281.37,206.71 277.36,206.71 276.08,205.42 276.08,193.68 279.42,190.34 292.13,190.34 292.65,190.85 292.65,191.79
S0_P0_LDOOUT on L30_POWER: 284.76,206.53 284.99,206.76 284.99,213.66 284.34,214.31 275.83,214.31 270.58,219.56 267.02,219.56 262.86,223.72 199.77,223.72 196.32,227.18 196.32,243.53 195.27,244.57 186.46,244.57 185.81,243.92 185.81,221.87 193.24,214.45 266.64,214.45 271.79,209.31 271.79,209.3 274.57,206.53
S0_P0_VDDIO on BOTTOM: 269.71,215.98 274.91,215.98 274.99,215.91 274.99,214.79 274.96,214.76 269.68,214.76 269.6,214.84 269.6,215.88
S0_P0_VDDIO on L17_SIGNAL: 279.38,231.65 270.68,240.35 218.6,240.35 211.68,247.28 186.99,247.28 186.46,246.75 186.46,215.34 187.51,214.29 266.17,214.29 269.38,211.08 273.67,211.08 275.79,208.97 279.19,208.97 279.38,209.16
S0_P1_LDOOUT on L29_POWER: 284.04,214.93 284.04,204.43 284.29,204.18 289.58,204.18 289.74,204.34 289.74,217.13 275.53,231.34 248.57,231.34 245.42,234.5 224.35,234.5 214.62,244.23 197.54,244.23 196.88,243.56 196.88,222.29 198.35,220.81 219.71,220.81 224.18,216.34 282.62,216.34
S0_P1_VDDIO on BOTTOM: 298.14,202.32 303.2,202.32 303.25,202.27 303.25,201.07 303.07,200.89 297.16,200.89 297.06,200.99 297.06,202.46 297.16,202.56 297.89,202.56
S0_P1_VDDIO on L29_POWER: 289.64,198.02 289.64,203.27 289.83,203.46 294.12,203.46 295.36,204.7 304.33,204.7 305.29,205.67 305.29,226.06 304.17,227.19 281.9,227.19 276.65,232.43 248.76,232.43 245.74,235.44 225.57,235.44 216.3,244.71 197.47,244.71 197.22,244.96 197.22,251.55 197.45,251.78 244.01,251.78 252.59,243.21 256.51,239.28 273.71,239.28 275.18,237.81 281.16,237.81 284.65,234.31 307.07,234.31 311.64,229.74 311.64,198.54 309.52,196.42 291.25,196.42
S0_P2_GIGA_MDI- on BOTTOM (solid shape): 287.01,216.52 286.98,216.47 286.93,216.48 286.29,217.12 286.55,217.76 286.99,218.69
S0_P3_GIGA_MDI+ on BOTTOM (solid shape): 294.44,217.76 294.78,216.95 294.07,216.24 294.01,216.23 293.98,216.27 294,218.69
S0_P3_GIGA_MDI- on BOTTOM (solid shape): 293.62,216.47 293.59,216.42 293.53,216.43 292.87,217.09 293.16,217.76 293.6,218.69
S0_P5_LDOOUT on L30_POWER: 285.58,214.02 285.58,205.16 285.81,204.93 290.36,204.93 290.59,205.16 290.59,219.98 284.97,225.59 280.79,225.59 273.73,232.65 214.41,232.65 212.61,234.44 212.61,243.43 211.66,244.39 207.28,244.39 206.8,243.9 206.8,228.34 209.49,225.65 265.98,225.65 276.68,214.95 284.65,214.95
S0_P5_VDDIO on BOTTOM: 298,208.25 298,207.14 298.14,206.99 303.2,206.99 303.25,207.05 303.25,208.24 303.07,208.42 298.17,208.42
S0_P5_VDDIO on L27_POWER: 290.38,214.64 290.38,207.63 291.46,206.56 307.25,206.56 308.3,207.61 308.3,231.97 304.05,236.22 214.87,236.22 212.65,238.43 212.65,246.13 211.92,246.87 208.32,246.87 204.73,243.28 204.73,227.94 206.25,226.41 287.26,226.41 290.41,223.27 290.41,214.67
S0_SWR1_LX on TOP: 118.46,35.99 118.46,36.75 118.53,36.81 120.69,36.81 120.75,36.75 120.75,35.99 119.71,34.94 119.71,34.4 119.38,34.4 119.38,35.07
S0_SWR1_VIN on TOP: 119.38,32.25 119.38,32.81 119.71,32.81 119.71,32.27 120.24,31.73 121.83,31.73 122.15,31.41 122.15,27.92 121.83,27.6 119.61,27.6 119.1,28.11 119.1,31.97
S0_U1_P0_MDI+ on BOTTOM (solid shape): 251.43,206.38 251.43,206.33 251.39,206.3 249.28,206.32 250.2,206.76 250.8,207.01
S0_U1_P1_MDI+ on BOTTOM (solid shape): 239.73,202.37 238.81,201.93 237.99,201.59 237.28,202.3 237.27,202.35 237.32,202.38
S0_U1_P1_MDI- on BOTTOM (solid shape): 238.81,203.21 239.73,202.77 237.51,202.75 237.46,202.78 237.47,202.83 238.13,203.49
S0_U1_P5_MDI+ on BOTTOM (solid shape): 251.43,214 251.43,213.95 251.39,213.92 249.28,213.94 250.2,214.38 250.8,214.63
S0_U1_P6_MDI+ on BOTTOM (solid shape): 239.73,209.99 238.81,209.55 237.94,209.19 237.21,209.92 237.2,209.97 237.25,210
S0_U1_P6_MDI- on BOTTOM (solid shape): 238.81,210.83 239.73,210.39 237.44,210.37 237.4,210.4 237.41,210.45 238.09,211.13
S0_U2_P2_GIGA_MDI+ on BOTTOM (solid shape): 288.22,227.09 288.9,226.52 287.53,226.34 287.49,226.35 287.47,226.4 287.53,227.64
S0_U2_P2_GIGA_MDI- on BOTTOM (solid shape): 286.92,226.4 286.9,226.35 286.86,226.34 285.49,226.52 286.17,227.09 286.86,227.64
S0_U2_P3_GIGA_MDI+ on BOTTOM (solid shape): 294.83,227.09 295.5,226.52 294.14,226.34 294.09,226.35 294.07,226.4 294.13,227.64
S0_U2_P3_GIGA_MDI- on BOTTOM (solid shape): 293.52,226.4 293.5,226.35 293.46,226.34 292.09,226.52 292.77,227.09 293.47,227.64
S0_U6_VDD on BOTTOM: 21.1,71.67 21.1,68.79 21.48,68.41 22.39,68.41 22.64,68.16 22.64,67.5 22.86,67.29 23.93,67.29 24.22,67.58 24.22,71.63 23.82,72.02 21.44,72.02
S0_U6_VDD on L23_POWER: 43.01,33.36 43.01,75.46 41.77,76.71 27.35,76.71 22.72,72.07 22.72,61.91 27.77,56.85 27.77,33.36 29.04,32.09 41.74,32.09
S0_U17_VDD on BOTTOM: 20.26,121.89 23.82,121.89 24.65,122.71 24.65,124.72 24.36,125.01 20.3,125.01 19.91,124.62 19.91,122.24
S0_U17_VDD on BOTTOM: 20.08,87.4 20.08,84.82 20.38,84.52 21.91,84.52 22.24,84.85 22.24,87.25 21.84,87.65 20.33,87.65
S0_U17_VDD on L23_POWER: 15.73,123.44 15.73,86.61 17.64,84.71 32.88,84.71 34.78,86.61 34.78,123.44 32.24,125.98 18.27,125.98
S0_VBAT on TOP: 44.56,20.37 36.55,20.37 35.34,19.16 35.34,3.63 36.06,2.91 44.95,2.91 45.51,3.46 45.51,19.42
S0_VBAT on TOP: 153.15,42.07 153.15,27.11 152.29,26.25 146.01,26.25 145.35,25.59 145.35,23.79 145.99,23.15 152.18,23.15 153.81,21.52 156.61,21.52 157.08,22 157.08,27.63 156.52,28.2 156.52,30.59 157.02,31.1 157.02,41.38 156.11,42.3 153.38,42.3
S0_VBAT on L29_POWER: 283.38,213.31 281.66,215.03 186.49,215.03 185.18,216.35 185.18,233.54 178.9,239.81 165.83,239.81 164,237.98 164,90.01 158.47,84.48 110.82,84.48 104.94,78.59 104.94,46.66 102.68,44.4 42.22,44.4 41.25,43.43 36.75,43.43 34.65,41.33 34.65,3.85 35.81,2.7 135.83,2.7 157.28,24.15 157.28,44.88 161.22,48.83 163.48,48.83 182.64,48.83 182.82,49.01 195.98,49.01 201.24,54.27 201.24,181.35 210.53,190.65 281.84,190.65 283.38,192.2
S0_VO09 on TOP: 177.89,56.57 177.89,60.86 178.54,61.51 180.59,61.51 181.06,61.04 181.06,56.57
S0_VO09 on BOTTOM: 229.09,226.06 229.09,223.84 229.41,223.52 230.68,223.52 231.31,222.88 231.31,221.42 231.76,220.98 236.39,220.98 236.71,221.3 236.71,226.06 236.39,226.38 229.41,226.38
S0_WAKE on L23_POWER: 279.65,206.68 281.68,206.68 281.81,206.55 281.81,201.15 281.61,200.95 278.89,200.95 278.62,200.67 278.62,199.48 278.33,199.19 248.92,199.19 238.01,188.29 238.01,187.34 236.7,186.03 235.76,186.03 187.03,137.3 187.03,92.58 165.59,71.15 165.59,37.16 162.8,34.37 151.2,34.37 149.81,35.76 149.81,89.05 168.42,107.67 168.42,159.5 223.65,214.72 278.72,214.72 279.37,214.08 279.37,206.96
S1_1_CKXTAL1 on BOTTOM (solid shape): 440.42,212.34 440.91,211.73 439.81,211.67 439.77,211.69 439.75,211.73 439.91,212.93
S1_1_VSENSE on BOTTOM: 349.22,231.14 349.22,227.33 349.6,226.95 356.97,226.95 357.85,226.06 363.06,226.06 364.71,224.41 366.87,224.41 367.63,225.17 367.63,226.89 363.13,231.39 349.47,231.39
S1_AVDD09 on BOTTOM: 399.22,191.8 400.51,191.8 400.56,191.74 400.56,186.69 400.51,186.64 399.32,186.64 399.14,186.82 399.14,191.72
S1_AVDD09 on L23_POWER: 399.99,213.78 399.99,207.54 400.22,207.31 402.16,207.31 402.44,207.04 402.44,200.54 402.2,200.3 399.56,200.3 399.25,200 399.25,188.39 399.99,187.64 411.14,187.64 412.24,188.74 412.24,213.92 411.84,214.31 400.53,214.31
S1_AVDD33 on BOTTOM: 389.71,202.38 394.91,202.38 394.99,202.31 394.99,201.19 394.96,201.17 389.68,201.17 389.6,201.24 389.6,202.28
S1_AVDD33 on L13_SIGNAL: 393.61,202.71 400.61,202.71 400.79,202.9 400.79,209.62 400.68,209.73 400.1,209.73 400,209.83 400,212.73 400.33,213.07 414.86,213.07 415.99,211.94 415.99,196.1 415.1,195.22 393.56,195.22 393.12,195.65 393.12,202.22
S1_AVDD33_MOSFET on BOTTOM: 392.6,210.46 392.6,210.46 392.6,210.94 392.75,211.09 394.98,211.09 395.3,210.77 395.3,206.87 395.28,206.85 394.73,206.85 389.78,206.84 389.6,207.02 389.6,209.13 389.66,209.18 392.36,209.18 392.6,209.42
S1_AVDD33_MOSFET on BOTTOM: 358.62,221.74 358.55,221.81 358.55,225.49 358.62,225.55 359.89,225.55 359.95,225.49 359.95,221.81 359.89,221.74
S1_DPS_AVDD09 on L23_POWER: 370.73,91.68 370.73,140.93 343.22,168.45 343.22,298.43 356.33,311.54 365.7,311.54 377.05,322.9 377.05,339.41 379.57,341.93 387.41,341.93 387.75,341.58 387.75,337.49 387.31,337.04 385.14,337.04 383.72,335.63 383.72,318.78 355.04,290.1 355.04,176 383.08,147.95 383.08,78.35 379.74,75.01 379.74,19.72 377.42,17.39 362.26,17.39 356.86,22.79 356.86,77.81
S1_DPS_AVDD33 on BOTTOM: 385.41,206.19 391.03,206.19 391.08,206.14 391.08,203.12 391.02,203.07 385.37,203.07 385.31,203.13 385.31,206.09
S1_DPS_AVDD33 on L27_POWER: 396.5,147.71 372.92,171.29 372.92,201.93 377.68,206.69 391.33,206.69 392.91,205.12 392.91,196.22 386.57,189.88 386.57,186.06 395.98,176.64 516.84,176.64 522.86,170.63 522.86,22.14 520.49,19.77 509.65,19.77 508.77,20.65 508.77,24.66 512.03,27.93 512.03,40.52 510.43,42.12 476.72,42.12 473.31,45.53 473.31,145.07 470.67,147.71
S1_DPS_AVDD33 on L29_POWER: 446.83,70.71 446.83,41.24 452.95,35.12 470.03,35.12 477.12,42.22 511.14,42.22 512.06,43.13 512.06,53.59 513.55,55.08 522.16,55.08 523.42,53.82 523.42,31.62 523.4,31.6 523.4,29.54 521.52,27.66 519.46,27.66 514.97,23.17 514.97,8.52 511.15,4.7 424.17,4.7 418.81,10.05 418.81,57.18 391.69,84.3 391.69,141.37 346.94,186.11 346.94,303.73 375.01,331.8 375.01,340.24 376.75,341.98 388.91,341.98 389.8,341.1 389.8,331.31 359.26,300.77 359.26,241.45 384.85,215.87 384.85,174.87 409.93,149.79 409.93,93.27 415.93,87.27 430.27,87.27
S1_DPS_DVDD09 on L30_POWER: 573.26,302.88 573.26,25.48 557.95,10.17 346.84,10.17 340.02,16.99 340.02,55.06 341.14,56.18 354,56.18 355.63,54.55 355.63,49.89 356.99,48.53 367.77,48.53 370.53,45.77 370.53,28.93 380.19,19.26 514.47,19.26 531.67,36.46 531.67,260.64 493.49,298.82 404.08,298.82 385.69,317.22 385.69,342.86 386.31,343.49 405.95,343.49 408.37,341.07 408.37,330.63 413.98,325.01 551.12,325.01
S1_DPS_DVDD33 on BOTTOM: 414.78,186.21 414.78,180.97 414.65,180.85 411.6,180.85 411.45,181 411.45,182.68 411.6,182.83 412.6,182.83 412.8,183.03 412.8,186.33 412.88,186.41 414.57,186.41
S1_DPS_DVDD33 on L29_POWER: 540.06,24.6 540.06,113.31 516.43,136.94 516.43,146.69 489.44,173.67 434.2,173.67 425.25,182.62 411.72,182.62 411.14,182.03 411.14,174.82 425.62,160.34 481.82,160.34 498.01,144.14 498.01,65.16 502.86,60.31 502.86,45.03 503.37,44.53 504.28,43.59 510.27,43.59 511.47,44.79 511.47,53.83 513.29,55.64 522.96,55.64 524.99,53.61 524.99,28.86 522.37,26.24 520.53,26.24 516.28,21.99 516.28,15.95 518.12,14.11 529.56,14.11
S1_DPS_GPIO_P015VDDIO on L23_POWER: 418.05,62.31 392.02,88.35 392.02,141.28 356.07,177.23 356.07,286.63 385.24,315.8 385.24,332.76 386.44,333.96 392.97,333.96 393.96,332.97 393.96,295.51 366.55,268.1 366.55,184.48 407.53,143.51 407.53,95.11 426.09,76.55 494.15,76.55 502.59,68.1 502.59,21.54 500.88,19.83 486.88,19.83 484.54,22.16 484.54,57.45 479.68,62.31
S1_DPS_LDOIN on BOTTOM: 410.74,181 410.69,180.95 409.49,180.95 409.32,181.13 409.32,188.19 409.42,188.29 410.59,188.29 410.74,188.14
S1_DPS_LDOIN on L27_POWER: 406.44,343.24 406.44,325.56 408.97,323.02 443.43,323.02 449.63,329.23 449.63,399.98 457.77,408.11 457.77,427.66 479.44,449.33 522.48,449.33 527.08,444.73 527.08,339.9 548.23,318.76 548.23,57.72 535.92,45.42 535.92,17.4 531.65,13.13 486.67,13.13 482.56,17.24 482.56,38.76 484.39,40.59 510.35,40.59 511.39,39.55 511.39,28.49 507.54,24.64 507.54,20.33 508.98,18.89 521.23,18.89 523.33,20.99 523.33,172.85 523.36,172.88 523.36,203.21 531.78,211.64 531.78,266.01 492.14,305.65 492.14,383.87 508.21,399.93 508.21,422.28 505.48,425.01 490.11,425.01 488,422.89 488,410.03 473.45,395.48 473.45,312.57 466.35,305.47 391.4,305.47 385.33,311.54 385.33,345.11 386.18,345.96 403.71,345.96
S1_DPS_LDOIN on L30_POWER: 406.94,176.96 406.94,184.14 407.58,184.78 413.76,184.78 414.61,183.94 414.61,88.73 427.65,75.69 482.17,75.69 491.47,66.39 491.47,50.94 493.51,48.91 509.81,48.91 512.55,46.17 512.55,24.2 508.8,20.44 493,20.44 483.51,29.93 478.43,29.93 471.45,36.91 471.45,45.57 458.54,58.48 427.53,58.48 407.88,78.12 407.88,176.01
S1_DVDD09 on BOTTOM: 405.89,183.07 405.89,188.4 405.91,188.43 405.91,193.45 405.71,193.65 405.71,195.02 405.76,195.07 407.89,195.07 408.45,194.51 408.45,184.16 407.31,183.02 405.94,183.02
S1_DVDD09 on L09_SIGNAL: 395.32,194.26 395.32,210.1 395.9,210.68 415.14,210.68 416.9,208.92 416.9,192.9 416.19,192.18 397.4,192.18
S1_DVDD09 on L11_SIGNAL: 402.42,193.49 402.42,204.78 402.25,204.95 399.41,204.95 399.28,205.08 399.28,208.29 400.02,209.03 400.02,213.58 400.53,214.09 411.86,214.09 412.18,213.76 412.18,209.2 411.9,208.92 410.74,208.92 410.58,208.77 410.58,201.23 410.29,200.94 409.93,200.94 409.73,200.73 409.73,193.09 408.5,191.86 404.05,191.86
S1_DVDD33 on BOTTOM: 416.93,184.65 415.53,184.65 415.48,184.7 415.48,189.74 415.31,189.91 415.31,190.7 415.36,190.75 416.99,190.75 417.02,190.72 417.02,184.74
S1_DVDD33 on L27_POWER: 407.51,205.1 412.79,205.1 420.93,196.96 420.93,192.45 418.93,190.45 418.93,188.6 418.58,188.25 413.85,188.25 413.2,188.91 413.2,192.83 407.21,198.81 407.21,204.8
S1_F_AVDD09 on BOTTOM: 401.31,183.01 401.31,188.34 401.42,188.44 402.86,188.44 402.94,188.37 402.94,183.16 402.74,182.96 401.36,182.96
S1_F_AVDD09 on L30_POWER: 371.39,156.27 393.04,177.92 393.04,186.89 394.05,187.9 398.04,187.9 400.09,187.9 400.91,187.9 402.37,186.45 402.37,183.26 402.09,182.98 400.89,182.98 400.16,182.25 400.16,172.46 383.63,155.93 383.63,85.09 365.36,66.82 365.36,58.16 361.26,54.05 361.26,50.79 359.53,49.07 357.58,49.07 356.24,50.41 356.24,54.63 352.96,57.92 352.96,74.09 371.39,92.52
S1_F_DVDD09 on BOTTOM: 405.02,189.71 405.1,189.64 405.1,181.1 404.9,180.9 401.39,180.9 401.29,181 401.29,182.63 401.36,182.7 403.07,182.7 403.27,182.91 403.27,189.53 403.45,189.71
S1_F_DVDD09 on L30_POWER: 393.87,149.56 400.67,156.35 400.67,181.99 401.1,182.42 405.12,182.42 405.62,181.91 405.62,87.03 383.14,64.55 383.14,51.72 380.57,49.15 362.66,49.15 361.75,50.06 361.75,53.72 366.35,58.32 366.35,65.92 393.87,93.45
